# KiCad board C68.kicad_pcb (continued)
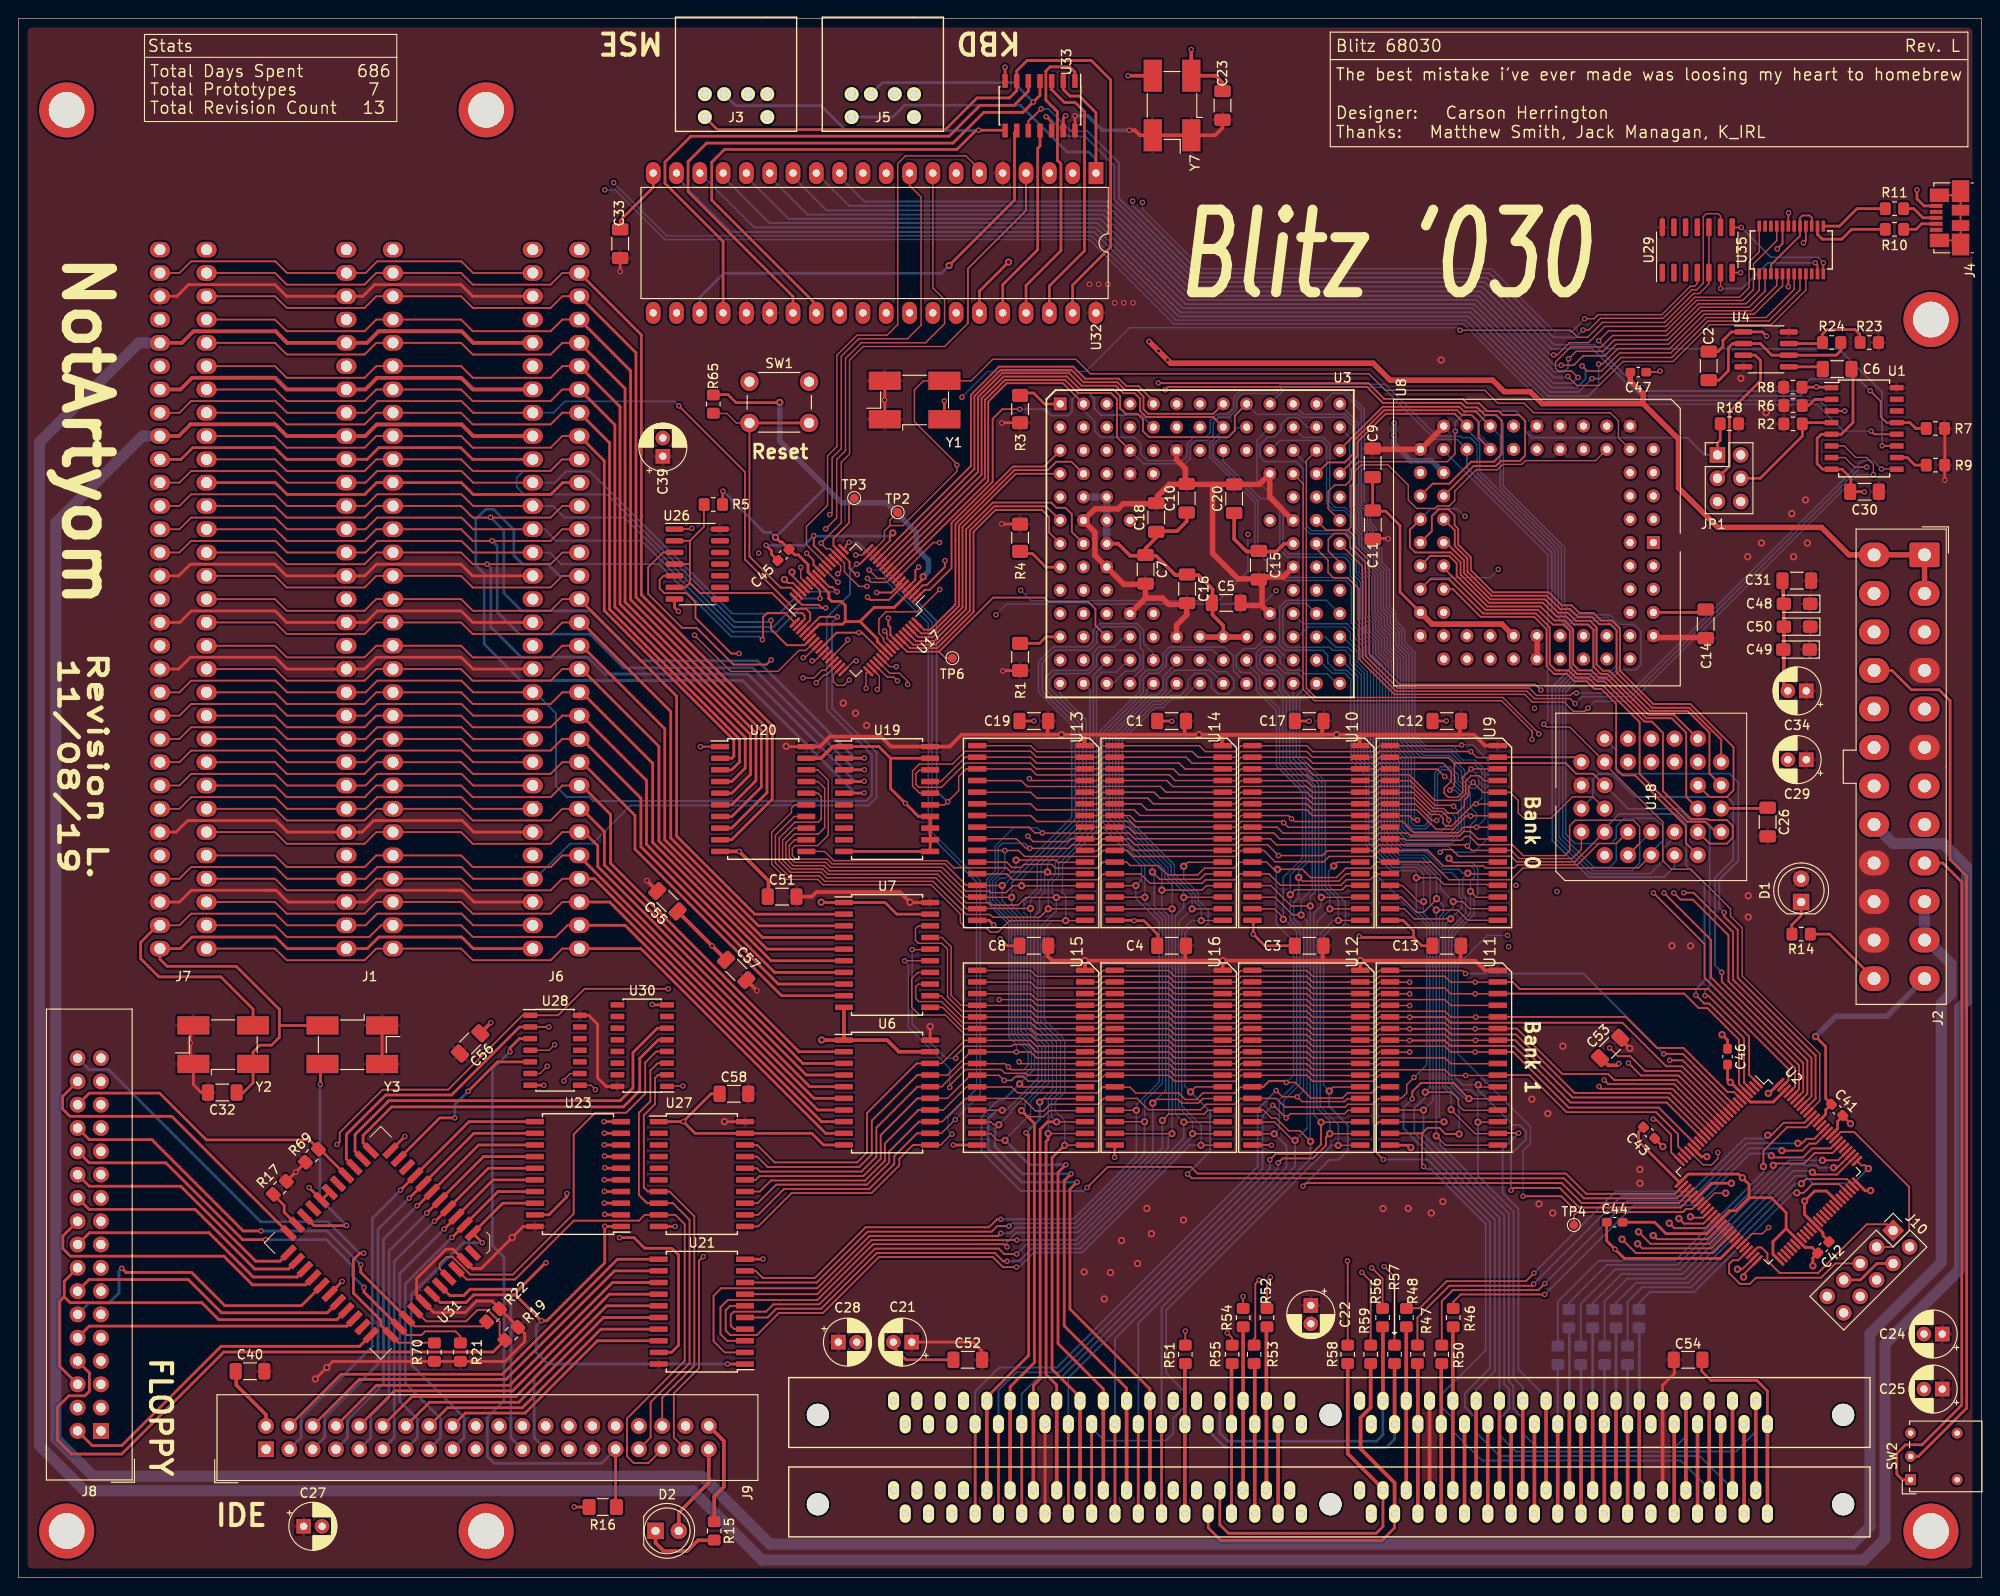
[diagram p0: board, top side]
## Routing (per net, layer and track width the routed paths; a pad name or vN(x,y) marks a point on that pad's centre or on a via; arc(x,y) is an arc through that point) (continued)
IRQ_IDE: length 261.7
  Top w0.15: v2(58.45,58.1) 57.85,57.5 U28.4
  Top w0.2: U1.12 202.3,124.66 v2(201.95,125)
  In2.Cu w0.15: 50.87,65.63 49.85,66.65 49.85,142.55 58.6,151.3 v2(63.93,151.3) ; 50.87,65.63 51.74,64.76 ; 50.87,65.63 58.4,58.1 v2(58.45,58.1)
  Bottom w0.15: v2(201.95,125) 198.94,125 196.01,127.92 166.3,127.92 157.53,136.7 125.91,136.7 116.73,145.88 70.47,145.88 65.08,151.27 63.93,151.27
IRQ_KBD: length 104.1
  Top w0.2: U33.12 112.63,158.67 v2(112.03,159.28)
  Top w0.3: 194.44,129.79 197.58,129.79 U1.1
  Bottom w0.2: v2(195.99,129.82) 195.22,129.82 194.25,128.85 176.7,128.85 171.57,133.97 167.1,133.97 159.82,141.25 128.45,141.25 119.4,150.3 119.4,154 116.25,157.15 114.43,157.15 112.3,159.28 v2(112.03,159.28)
IRQ_MSE: length 118.2
  Top w0.2: U33.10 110.09,158.8 110.38,159.09 110.44,159.09 v2(111.48,160.12) ; v2(201.85,129.4) 203,128.25 203,126.56 203.63,125.92 204.74,125.92
  Top w0.3: 207.94,125.29 206.81,125.29 206.18,125.92 204.74,125.92
  Bottom w0.2: v2(201.85,129.4) 200.55,130.7 195.35,130.7 194.02,129.38 176.82,129.38 171.77,134.43 167.38,134.43 160.07,141.72 128.62,141.72 119.97,150.38 119.97,154.25 116.53,157.7 114.7,157.7 112.28,160.12 v2(111.48,160.12)
IRQ_SYS: length 13.2
  Top w0.3: JP1.4 189.86,119.86 194.46,124.47 194.46,125.79 194.6,125.92 197.64,125.92
ISA_IRQ0: length 42.7
  Top w0.2: J1.B25 37.84,83.82 39.11,85.09 48.3,85.09 49.57,83.82 J6.B25 ; 35.79,83.82 29.29,83.82 28.02,85.09 18.83,85.09 17.56,83.82 15.47,83.82
ISA_IRQ1: length 42.7
  Top w0.2: J1.B24 37.84,86.36 39.11,87.63 48.3,87.63 49.57,86.36 J6.B24 ; 15.47,86.36 17.56,86.36 18.83,87.63 28.02,87.63 29.29,86.36 35.79,86.36
ISA_IRQ2: length 42.7
  Top w0.2: J1.B23 37.84,88.9 39.11,90.17 48.3,90.17 49.57,88.9 J6.B23 ; 35.79,88.9 29.29,88.9 28.02,90.17 18.83,90.17 17.56,88.9 15.47,88.9
ISA_IRQ3: length 42.7
  Top w0.2: J1.B22 37.84,91.44 39.11,92.71 48.3,92.71 49.57,91.44 J6.B22 ; 15.47,91.44 17.56,91.44 18.83,92.71 28.02,92.71 29.29,91.44 35.79,91.44
ISA_IRQ4: length 42.7
  Top w0.2: J1.B21 37.84,93.98 39.11,95.25 48.3,95.25 49.57,93.98 J6.B21 ; 35.79,93.98 29.29,93.98 28.02,95.25 18.83,95.25 17.56,93.98 15.47,93.98
KBD_CS: length 61.1
  Top w0.15: U17.22 85.9,112.63 85.9,114.6 88.2,116.9 88.2,122.3 89.22,123.33 89.22,133.28 91.4,135.46 94.69,135.46 95.85,136.62 95.85,154.17 96.68,155 103.29,155 104.76,153.53 U32.6
MMUDIS: length 58.6
  Top w0.15: U3.F13 142.77,116.54 142.77,118.41 143.48,119.12 144.67,119.12 145.3,119.75 145.3,120.87 146.1,121.67 155.76,121.67 156.59,122.5 156.59,124.96 v2(156.62,124.99)
  Top w0.3: JP1.1 185.2,123.7 185.5,124 R18.2
  Bottom w0.2: v2(156.62,124.99) 156.62,125.94 157.88,127.2 163.21,127.2 164.27,126.14 164.27,124.97 164.96,124.28 181.92,124.28 183.8,122.4 JP1.1
RESET: length 450
  Top w0.15: U2.33 184.89,41.93 v1(186.1,41.93) ; 144.93,114.22 145.25,114.54 145.25,119.03 145.69,119.47 145.69,120.62 146.39,121.32 149.29,121.32 151.5,119.11 151.5,117.49 152.42,116.57 154.41,116.57 154.68,116.84 155.98,116.84 156.56,117.42 156.56,118.43 158.91,120.78 161.21,120.78 161.8,121.37 163.87,121.37 164.28,121.78 171.91,121.78 U8.13 ; 144.93,114.22 145.64,113.5 145.64,112.52 147.23,110.93 147.23,100.73 150.57,97.39 165.34,97.39 v2(165.96,96.77) ; 144.93,114.22 142.56,114.22 U3.F12 ; v2(92.49,108.07) 91.63,108.07 90.04,109.66 90.04,110.61 U17.19 88.48,112.17 88.05,112.17 87.5,112.72 v2(87.5,112.8) 89.7,115 89.7,121.6 90.6,122.5 90.6,132.73 92.09,134.22 100.97,134.22 103.5,136.75
  Top w0.2: 103.5,136.75 103.5,142.71 109.84,149.05 U32.4 ; v2(34.73,47.22) 35.03,47.52 35.03,48.53 39.7,53.2 46.84,53.2 54.95,61.31 U28.1 58.83,61.31 61.72,64.2 v2(70.85,64.2) ; U35.16 194.84,145.79 v2(194.57,145.53)
  In1.Cu w0.15: v2(92.49,108.07) 93.83,108.07 96.25,105.65 107.25,105.65 v2(109.25,107.65) ; U3.F12 139.98,113.75 v2(134.03,113.75) ; v2(165.96,96.77) 163.69,94.5 163.69,87.05 165.95,84.79 165.95,66.67 172.82,59.8 177.81,59.8 182.2,55.41 182.2,45.82 v1(186.1,41.93)
  In1.Cu w0.2: J9.1 25.94,14 25.28,14.66 25.28,17.52 38.78,31.02 38.78,38.98 34.73,43.03 v2(34.73,47.22) ; U8.13 174.38,124.25 176.95,124.25 185.15,132.45 185.15,136.8 193.88,145.53 v2(194.57,145.53)
  In2.Cu w0.15: v2(70.85,64.2) 70.85,65.8 72.58,67.53 72.58,103.28 73.83,104.53 75.38,104.53 83.61,112.76 87.46,112.76 v2(87.5,112.8) ; U8.13 173.14,122.47
  Bottom w0.15: v2(134.03,113.75) 134.03,109.75 130.8,106.53 110.38,106.53 v2(109.25,107.65)
RESET_N: length 162.1
  Top w0.2: J1.B2 37.84,142.24 39.11,143.51 48.3,143.51 49.57,142.24 J6.B2 ; 15.47,142.24 17.56,142.24 18.83,143.51 28.02,143.51 29.29,142.24 35.79,142.24 ; U28.2 57.81,60.04 v2(57.82,60.03)
  Top w0.3: U31.20 35.75,45.64 35.75,48.32 40.05,52.62 47.22,52.62 54.64,60.04 U28.2
  In2.Cu w0.2: v2(57.82,60.03) 50.34,67.51 50.34,137.94 54.64,142.24 J6.B2
ROM: length 109.4
  Top w0.15: U17.44 90.4,102.12 v2(90.4,102.25)
  In2.Cu w0.15: U18.22 184.85,90.71 184.85,92.15 181.59,95.41 170.74,95.41 169.38,94.05 158.29,94.05 155.09,90.85 105.82,90.85 97.55,99.12 97.55,99.53 96.44,100.63 93.34,100.63 91.72,102.25 v2(90.4,102.25)
RW0: length 81.9
  Top w0.15: 131.09,86.89 132.65,86.89 133.28,87.53 140.44,87.53 141.07,86.89 146.09,86.89 ; 160.99,86.88 159.78,86.88 159.24,87.42 158.34,87.42 157.76,86.84 157.76,85.47 157.03,84.74 154.38,84.74 151.59,87.53 148.34,87.53 147.71,86.89 146.15,86.89 ; U14.29 126.07,86.91 125.45,87.53 118.23,87.53 117.59,86.89 116.04,86.89 ; v2(110.2,87.12) 110.41,86.91 116.27,86.91 ; U17.48 91.06,99.95 v2(91.32,99.95)
  In2.Cu w0.15: v2(91.32,99.95) 92.65,98.62 96.76,98.62 105.38,90 107.32,90 v2(110.2,87.12)
RW1: length 102.1
  Top w0.15: v2(106.9,63.01) 106.91,63.02 110.41,63.02 111.04,62.38 116.27,62.38 ; 146.15,62.38 147.71,62.38 148.34,63.02 155.5,63.02 156.13,62.38 161.15,62.38 ; 131.04,62.38 126.03,62.38 125.39,63.02 118.23,63.02 117.59,62.38 116.04,62.38 ; v2(86.97,97.56) 87.85,98.44 88.14,98.44 U17.46 ; 131.09,62.38 132.65,62.38 133.28,63.02 140.44,63.02 141.07,62.38 146.09,62.38
  In2.Cu w0.2: v2(106.9,63.01) 106.9,68.39 95.22,80.07 95.22,88.59 86.97,96.84 v2(86.97,97.56)
RW_N: length 498.6
  Top w0.15: v2(166.27,93.04) 166.57,92.74 169.1,92.74 U18.31 172.91,88.72 179.24,82.39 179.24,78.17 180.17,77.24 182.31,77.24 186.63,72.92 186.63,72.12 187.9,70.85 187.9,65.6 196.35,57.15 196.35,51.97 U2.91 ; U29.9 185.54,148.46 185.3,148.7 183.98,148.7 183.65,148.38 183.65,141.12 182.93,140.4 182.4,140.4 179.3,137.3 172.45,137.3 171.18,136.03 v2(170.55,136.03) ; v2(59.45,54.15) 59.45,54.27 60.14,54.96 U28.9
  Top w0.2: 100.35,100.95 96.87,100.95 U17.58 95.05,102.77 95.05,103.6 94.82,103.83 v2(94.82,104.6) ; 100.35,100.95 106.25,106.85 111.82,106.85 112.3,106.37 116.64,106.37 117.4,105.61 117.4,103.81 U3.L3 ; 100.35,100.95 101.05,100.25 TP6.1
  Top w0.3: U31.2 47.05,30.75 48.54,30.75 49.23,31.44 54.56,31.44 57.45,34.33 v2(57.51,34.33)
  In1.Cu w0.15: v2(94.82,104.6) 92.97,102.75 92.97,102.7 91.9,101.62 90.1,101.62 86.58,105.14 86.58,109.94 84.82,111.7 v2(80.7,111.7)
  In2.Cu w0.15: 157.08,121.29 U8.28 ; 157.08,121.29 157.08,117.33 156.23,116.48 151.06,116.48 148.64,118.9 138.2,118.9 136.39,117.09 130.34,117.09 128.61,115.36 128.61,114.43 119.92,105.74 119.92,103.85 U3.L3 ; 157.08,121.29 163.02,121.29 164.02,122.29 164.02,124.01 164.41,124.4 164.41,126.04 164.81,126.44 164.81,127.54 164.18,128.17 164.18,134.66 165.69,136.18 169.35,136.18 169.5,136.03 v2(170.55,136.03) ; v2(80.7,111.7) 80.7,111.01 75.07,105.38 73.33,105.38 71.7,103.75 71.7,67.85 69.8,65.95 69.8,61.65 60.88,52.72 ; v2(57.51,34.33) 57.51,38.93 58.36,39.78 58.36,50.21 60.88,52.72 ; 60.88,52.72 v2(59.45,54.15)
  In2.Cu w0.2: v2(94.82,104.6) 95.45,104.6 97.09,106.24 107.92,106.24 112.83,101.33 116.84,101.33 118.08,102.57 U3.L3 ; U32.10 97,150.72 120.8,150.72 v2(121.45,150.07)
  Bottom w0.15: U8.28 155.36,122.88 166.72,111.52 166.72,93.49 v2(166.27,93.04)
  Bottom w0.2: v2(121.45,150.07) 121.45,149.62 128.85,142.22 160.32,142.22 167.32,135.22 169.75,135.22 v2(170.55,136.03)
  Bottom w0.3: 53.69,26.44 53.69,15.25 J9.23 ; 53.69,26.44 53.69,23.24 ; 53.69,26.44 53.69,30.51 v2(57.51,34.33)
SIZ0: length 30.1
  Top w0.2: v2(92.55,106.9) 92.85,106.6 94.88,106.6 U17.5
  In2.Cu w0.2: U3.L2 115,103.67 111.1,103.67 108.14,106.63 93.24,106.63 92.97,106.9 v2(92.55,106.9)
SIZ1: length 30.2
  Top w0.2: U17.6 96.17,108.38 95.19,107.4 v2(93.55,107.4)
  In2.Cu w0.2: v2(93.55,107.4) 93.92,107.03 108.23,107.03 111.23,104.03 117.56,104.03 U3.K3
STERM: length 31.7
  Top w0.2: U17.59 97.2,101.33 100.16,101.33 104.12,105.29 104.12,114.02 106.49,116.39 111.58,116.39 112.36,115.61 112.36,113.93 U3.G1
TCK: length 190.8
  Top w0.2: v1(83.5,108.83) 83.88,108.45 84.42,108.45 U17.30 ; U2.48 189.57,36 190,36 190.65,35.35 190.65,34.55 191.98,33.22 196.18,33.22 201.48,38.53 203.68,38.53 J10.1
  In1.Cu w0.2: v1(83.5,108.83) 83.72,108.6 83.72,98.83 90.53,92.03 107.9,92.03 115.82,84.1 139.38,84.1 148.55,74.93 148.55,58.47 151.1,55.93 155.57,55.93 159.57,51.93 163.43,51.93 166.3,49.05 179.8,49.05 181.12,47.72 181.12,44.45 188.2,37.38 198.7,37.38 199.98,38.65 203.55,38.65 J10.1
TDO1: length 148.6
  Top w0.15: v2(95.7,99.33) 94.96,99.33 U17.53 ; U2.45 188.95,37.5 190.1,37.5 v2(190.77,38.18)
  In1.Cu w0.15: v2(190.77,38.18) 190.6,38 188.5,38 181.73,44.78 181.73,47.95 176.8,52.88 172.1,52.88 171.18,53.8 171.18,57.97 163.53,65.62 163.53,75.2 v2(163.25,75.47)
  In2.Cu w0.15: v2(163.25,75.47) 162.65,76.07 157.55,76.07 156.55,77.07 149.43,77.07 148.35,76 143.9,76 140.07,79.82 115.62,79.82 111.85,83.6 108.5,83.6 93.97,98.12 92.28,98.12 90.7,99.7 90.7,100.33 91.05,100.67 91.7,100.67 92.7,99.67 95.35,99.67 v2(95.7,99.33)
TDO2: length 20
  Top w0.2: U2.83 198.64,48.6 200.1,48.6 206.1,42.6 206.1,37.85 204.3,36.05 J10.3
TMS: length 190.5
  Top w0.2: U17.29 84.32,109.25 v1(84.32,109.62) ; U2.47 187.48,34.61 186.89,34.61 186.48,34.2 186.48,33.2 187.65,32.03 188.73,32.03 189.4,32.7 196.5,32.7 198.06,34.26 J10.5
  In1.Cu w0.2: J10.5 198.29,36.72 187.88,36.72 180.5,44.1 180.5,47.55 179.57,48.47 166.02,48.47 163.18,51.32 157.75,51.32 153.75,55.32 150.8,55.32 147.95,58.18 147.95,74.7 139.1,83.55 115.62,83.55 107.75,91.42 90.28,91.42 83.07,98.62 83.07,107.92 82.57,108.42 82.57,109.25 83.05,109.72 84.22,109.72 v1(84.32,109.62)
Net-(C2-Pad2): length 19.2
  Top w0.3: 198.68,134.66 198.68,133.78 198.17,133.28 191.13,133.28 189.87,134.55 U4.2 186.85,134.55 186.4,134.1 186.4,131.58 185.36,130.55 C2.2
Net-(C6-Pad2): length 3.9
  Top w0.3: U4.5 196.52,132 196.76,131.76
Net-(D1-Pad1): length 3.9
  Top w0.3: D1.1 194.32,72.18 193.3,71.16 193.3,70.16
Net-(D2-Pad1): length 8.6
  Top w0.4: 75.85,4.07 74.07,4.07 72.9,2.9 70.35,2.9 69.45,3.8 D2.1
Net-(D2-Pad2): length 10.3
  Top w0.4: D2.2 71.99,7.09 75.26,10.36 J9.39
Net-(J1-PadA10): length 91.6
  Top w0.2: U17.38 85.7,101.66 83.78,101.66 82.03,103.41 v2(82.03,104.37) ; J1.A10 48.26,121.92 49.53,120.65 58.02,120.65 59.29,121.92 J6.A10 ; 20.55,121.92 27.98,121.92 29.25,120.65 37.74,120.65 39.01,121.92 40.87,121.92
  Bottom w0.2: J6.A10 59.2,121.92 57.93,120.65 55.06,120.65 54.32,119.91 54.32,118.93 55.15,118.1 64.18,118.1 78.08,104.2 81.86,104.2 v2(82.03,104.37)
Net-(J1-PadB8): length 90.8
  Top w0.2: J1.B8 37.84,127 39.11,128.27 48.3,128.27 49.57,127 J6.B8 ; 35.79,127 29.29,127 28.02,128.27 18.83,128.27 17.56,127 15.47,127 ; U17.35 86.31,104.39 86.31,105.19 85.88,105.62 84.59,105.62 79.2,111.01 79.2,120.55 v2(72,127.75)
  Bottom w0.2: J6.B8 58.31,127 59.56,128.25 71.5,128.25 v2(72,127.75)
Net-(J1-PadB11): length 87.8
  Top w0.2: J6.B11 49.57,119.38 48.3,120.65 39.11,120.65 37.84,119.38 J1.B11 ; 35.79,119.38 29.29,119.38 28.02,120.65 18.83,120.65 17.56,119.38 15.47,119.38 ; 87.87,108.54 U17.25 88.42,107.99 88.74,107.99 v2(89.24,107.49)
  Bottom w0.2: J6.B11 58.47,119.38 59.7,120.61 62.31,120.61 77.82,105.1 82.94,105.1 85.33,107.49 v2(89.24,107.49)
Net-(J1-PadB12): length 83.1
  Top w0.2: v2(87.38,106.76) 87.38,107.61 U17.27 ; J6.B12 49.57,116.84 48.3,118.11 39.11,118.11 37.84,116.84 J1.B12 ; 15.47,116.84 17.56,116.84 18.83,118.11 28.02,118.11 29.29,116.84 35.79,116.84
  Bottom w0.2: J6.B12 58.26,116.84 59.53,115.57 66.07,115.57 78,103.64 82.3,103.64 85.42,106.76 v2(87.38,106.76)
Net-(J1-PadB13): length 85.1
  Top w0.2: 15.47,114.3 17.56,114.3 18.83,115.57 28.02,115.57 29.29,114.3 35.79,114.3 ; v2(88,105.73) 87.58,105.73 87.25,106.06 85.4,106.06 U17.32 ; J6.B13 49.57,114.3 48.3,115.57 39.11,115.57 37.84,114.3 J1.B13
  Top w0.3: 15.47,114.3 15.01,114.3 ; J1.B13 35.29,114.3
  Bottom w0.2: J6.B13 57.37,114.3 58.61,113.06 67.91,113.06 77.85,103.12 82.62,103.12 85.23,105.73 v2(88,105.73)
Net-(J1-PadB14): length 78.3
  Top w0.2: J6.B14 49.57,111.76 48.3,113.03 39.11,113.03 37.84,111.76 J1.B14 ; 35.79,111.76 29.29,111.76 28.02,113.03 18.83,113.03 17.56,111.76 15.47,111.76 ; U17.33 83.57,105.18 81.63,105.18 81.18,104.73 81.18,102.34 v2(81.1,102.26)
  Bottom w0.2: J6.B14 57.92,111.76 59.18,110.5 69.83,110.5 77.74,102.59 80.77,102.59 v2(81.1,102.26)
Net-(J1-PadB28): length 110.7
  Top w0.2: U17.36 87.38,104.75 v2(89.27,104.75) ; J1.B28 37.84,76.2 39.11,77.47 48.3,77.47 49.57,76.2 J6.B28 ; 35.79,76.2 29.29,76.2 28.02,77.47 18.83,77.47 17.56,76.2 15.47,76.2
  Top w0.3: J1.B28 35.44,76.2 ; 15.47,76.2 15.16,76.2
  Bottom w0.2: J6.B28 56.32,76.2 60.13,80.01 62.55,80.01 66.73,84.19 92.68,84.19 93.54,85.05 93.54,89.97 88.7,94.81 88.7,104.18 89.24,104.72 89.28,104.72
Net-(J1-PadB30): length 64.3
  Top w0.2: J6.B30 49.57,71.12 48.3,72.39 39.11,72.39 37.84,71.12 J1.B30 29.29,71.12 28.02,72.39 18.83,72.39 17.56,71.12 15.47,71.12
  Top w0.3: J7.B30 15.18,71.12 13.32,69.26 13.32,67.5 15.32,65.5 22.07,65.5 25.58,61.99 Y2.3 ; 15.13,71.12 15.47,71.12 ; 35.41,71.12 J1.B30
Net-(J2-Pad9): length 75.2
  Top w0.3: SW2.1 205.35,10.68 204.75,11.28 204.75,13.54 205.7,14.49 207.5,14.49 211.83,18.82 211.83,75.84 209.76,77.91 J2.9
Net-(J2-Pad16): length 95.8
  Top w0.3: J2.16 204.23,98.91 206.33,96.8 209.36,96.8 210.56,95.6 210.56,78.3 212.37,76.49 212.37,18.48 207.11,13.22 SW2.2
Net-(J3-Pad1): length 84
  Top w0.3: U33.8 107.52,157.8 v2(104.68,157.8) 104.4,157.8 102.31,155.71 76.98,155.71 75.58,154.31 75.58,150.18 86.99,138.77 86.99,137.9
  Bottom w0.3: J3.1 78.19,160.47 87.5,160.47 90.2,157.78 104.65,157.78 v2(104.68,157.8)
Net-(J3-Pad5): length 77.2
  Top w0.3: J3.5 76.19,157.88 101.05,157.88 104.5,161.32 108.03,161.32 108.82,162.12 U33.6 108.82,164.27 109.95,165.4 116.96,165.4 119.06,163.3 119.06,145.06 114.92,140.92 U32.39
Net-(J4-Pad2): length 3.8
  Top w0.3: 205.52,147 206.85,147 207.45,147.6 J4.2
Net-(J4-Pad3): length 3.9
  Top w0.3: 205.52,149.25 206.6,149.25 207.6,148.25 J4.3
Net-(J5-Pad1): length 83.2
  Top w0.3: U32.27 84.44,139.67 73,151.11 73,154.37 75.03,156.4 101.88,156.4 105.22,159.75 109.5,159.75 v2(110.62,160.88) 111.36,161.61 U33.4
  Bottom w0.3: v2(110.62,160.88) 108.5,163 94.2,163 92.94,161.74 J5.1
Net-(J5-Pad5): length 43.2
  Top w0.3: U33.2 113.9,162.25 114.62,161.53 115.65,161.53 117.46,159.72 U32.1
  Bottom w0.3: U32.1 117.46,154.63 116.66,155.43 114.32,155.43 109.22,160.53 96.6,160.53 95.31,159.24 J5.5
Net-(J8-Pad2): length 37.6
  Top w0.3: J8.2 8.06,14.4 11.28,14.4 22.1,25.22 37.21,25.22 U31.39
Net-(J8-Pad8): length 79.2
  Top w0.2: U31.43 44.46,27.95 48.8,27.95 50.05,29.2 51.15,29.2 52.46,27.89 52.46,26.44 53.03,25.88
  Top w0.3: J8.8 7.75,22.33 7.75,20.32 7.25,19.82 5.5,19.82 4.25,18.57 4.25,15 5.78,13.47 11.28,13.47 22.4,24.6 51.75,24.6 53.03,25.88
Net-(J8-Pad10): length 31
  Top w0.3: U31.37 35.81,27.43 7.72,27.43 J8.10
Net-(J8-Pad12): length 32.6
  Top w0.3: U31.33 30.85,29.65 22.5,29.65 18.88,33.28 11.72,33.28 v2(11.28,33.72)
  Bottom w0.3: v2(11.28,33.72) 10.98,33.43 10.98,31.05 9.88,29.95 7.71,29.95 J8.12
Net-(J8-Pad14): length 30.9
  Top w0.3: J8.14 7.72,32.5 18.53,32.5 22.15,28.88 33.67,28.88 U31.35
Net-(J8-Pad16): length 46.5
  Top w0.3: J8.6 4.47,23.06 4.47,30.1 5,30.62 ; 5,30.62 5,32.32 J8.16 ; 5,30.62 5.65,29.97 20,29.97 21.85,28.12 34.72,28.12 U31.36
Net-(J8-Pad18): length 27.7
  Top w0.3: J8.18 7.74,37.6 20.78,37.6 25.6,32.78 30.39,32.78 U31.31
Net-(J8-Pad20): length 32.9
  Top w0.3: U31.32 31.33,31.93 25.53,31.93 22.4,35.05 5.67,35.05 4.85,35.88 4.85,37.25 J8.20
Net-(J8-Pad22): length 27.5
  Top w0.3: J8.22 7.71,40.15 19.28,40.15 25.78,33.65 29.47,33.65 U31.30
Net-(J8-Pad24): length 27.3
  Top w0.3: J8.24 7.72,42.68 17.7,42.68 25.88,34.5 28.52,34.5 U31.29
Net-(J8-Pad26): length 52
  Top w0.2: 48.18,25.61 48.18,26.32 47.65,26.85 44.35,26.85 43.95,26.45 42.37,26.45 U31.41
  Top w0.3: J8.26 7.72,45.22 16.08,45.22 24.45,36.85 v2(26.95,36.85) ; U31.41 37.67,31.14 v2(37.67,31.65)
  Bottom w0.3: v2(37.67,31.65) 36.42,32.9 36.42,33.97 33.55,36.85 v2(26.95,36.85)
Net-(J8-Pad28): length 54.2
  Top w0.2: U31.42 43.21,27.4 50.55,27.4 51.03,27.88
  Top w0.3: J8.28 7.73,47.75 14.55,47.75 24.5,37.8 v2(26.45,37.8) ; U31.42 37.33,33.29 v2(37.33,34.12)
  Bottom w0.3: v2(26.45,37.8) 33.65,37.8 v2(37.33,34.12)
Net-(J8-Pad30): length 33.5
  Top w0.3: U31.21 32.87,46.72 32.72,46.72 31.72,47.72 20.5,47.72 15.4,52.82 7.72,52.82 J8.30
Net-(J8-Pad32): length 33.9
  Top w0.3: J8.32 4.83,52.47 4.83,51.1 5.62,50.3 16.72,50.3 U31.28
Net-(J8-Pad34): length 56.4
  Top w0.2: U31.40 41.41,25.61 45.35,25.61
  Top w0.3: v2(37.65,35.38) 37.23,35.38 36.53,34.67 36.53,31.03 39.5,28.05 39.5,27.52 U31.40
  Bottom w0.3: J8.34 7.72,55.38 9.85,55.38 26.42,38.8 33.75,38.8 37.17,35.38 v2(37.65,35.38)
Net-(J9-Pad27): length 117.9
  Top w0.2: U26.5 70.33,109.23 69.9,108.8 69.9,107.85 70.4,107.35 72.8,107.35 73.8,106.35 73.8,104.65 77.7,100.75 v2(78.55,100.75)
  In2.Cu w0.15: J9.27 61.29,15.28 73.38,15.28 74.05,15.95 74.05,27.4 75.75,29.1 75.75,35.57 74.72,36.6 74.72,88.75 75.97,90 75.97,98.47 77.9,100.4 78.2,100.4 v2(78.55,100.75)
Net-(J9-Pad31): length 70.5
  Top w0.3: U28.3 54.61,58.77 53.59,57.75 v2(53.59,57.34) ; R16.2 65.1,7.79 J9.31
  Bottom w0.3: J9.31 63.57,12.47 51.85,12.47 51.12,13.2 51.12,17.47 52.94,19.29 52.94,34.95 51.67,36.22 51.67,55.42 v2(53.59,57.34)
Net-(J10-Pad9): length 175.5
  Top w0.15: U17.28 85.28,109.01 v2(85.28,110.15)
  In1.Cu w0.15: v2(167.7,74.8) 167.7,67.32 173.77,61.25 178.5,61.25 184.02,55.72 184.02,54.25 188.3,49.97 197.6,49.97 205.98,41.6 205.98,37.68 198.97,30.67 J10.9
  In2.Cu w0.15: v2(167.7,74.8) 167.68,74.78 162.95,74.78 162.2,75.53 143.72,75.53 139.8,79.45 115.43,79.45 111.68,83.2 108.3,83.2 93.8,97.7 92.1,97.7 88.62,101.17 88.62,106.8 v2(85.28,110.15)
Net-(R1-Pad2): length 4.7
  Top w0.3: U3.L1 112.02,102.57 111.31,101.86 R1.2
Net-(R3-Pad2): length 5.4
  Top w0.3: 113.54,127.95 111.86,127.95 110.65,129.16 108.6,129.16
Net-(R4-Pad2): length 5.6
  Top w0.3: 108.6,111.66 110.52,111.66 112.01,110.17 113.54,110.17
Net-(R6-Pad2): length 3.5
  Top w0.3: U1.2 195.81,128.47 195.14,127.79 194.46,127.79
Net-(R9-Pad2): length 3.5
  Top w0.3: 207.94,121.29 206.73,121.29 205.9,122.11 U1.10
Net-(R10-Pad1): length 8.9
  Top w0.3: U35.14 196.11,146.44 196.62,145.93 198.75,145.93 199.83,147 203.48,147
Net-(R11-Pad1): length 7.5
  Top w0.3: 203.48,149.25 200.41,149.25 198.51,147.35 U35.13
Net-(R12-Pad2): length 29.1
  Top w0.2: U2.72 198.46,42.9 195.55,42.9 194.6,41.95 v1(193.85,41.95)
  Bottom w0.2: 176.65,29.28 176.65,29.95 177.85,31.15 182.65,31.15 193.45,41.95 v1(193.85,41.95)
Net-(R13-Pad2): length 35.3
  Top w0.2: v1(194.35,42.95) 194.85,43.45 199.33,43.45 U2.74
  Bottom w0.2: 175.4,25.28 175.4,30.07 176.98,31.65 182.35,31.65 193.65,42.95 v1(194.35,42.95)
Net-(R17-Pad1): length 4.4
  Top w0.3: 27.78,41.78 28.97,40.58 28.97,39.84 U31.27
Net-(R23-Pad1): length 10
  Top w0.3: U4.7 196.51,134.55 196.62,134.66 196.62,135.53 197.15,136.06 200.2,136.06 200.73,135.53 200.73,134.66
Net-(R40-Pad2): length 36.5
  Top w0.2: v1(201.65,44.6) 201.3,44.95 200.89,44.95 U2.76
  Bottom w0.2: 174.15,29.28 174.15,29.95 176.35,32.15 182.05,32.15 193.7,43.8 194.75,43.8 195.55,43 200.05,43 v1(201.65,44.6)
Net-(R42-Pad2): length 38.8
  Top w0.2: v1(195.55,44.2) 195.8,43.95 198.23,43.95 U2.77
  Bottom w0.2: 172.9,25.28 172.9,30.12 175.38,32.6 181.7,32.6 193.45,44.35 195.4,44.35 v1(195.55,44.2)
Net-(R43-Pad2): length 35.7
  Top w0.2: v1(197.85,44.7) 198.27,44.7 U2.78
  Bottom w0.2: 171.6,29.28 171.6,29.95 174.75,33.1 181.4,33.1 193.25,44.95 196,44.95 196.25,44.7 v1(197.85,44.7)
Net-(R44-Pad2): length 40.5
  Top w0.2: v1(196.65,45.5) 198.36,45.5 U2.79
  Bottom w0.2: v1(196.65,45.5) 193,45.5 181.1,33.6 174.05,33.6 170.3,29.85 170.3,25.28
Net-(R45-Pad2): length 37.7
  Top w0.2: U2.81 197.75,46.3 195.81,46.3 194.66,45.15 191.49,45.15 v1(191.29,44.95)
  Bottom w0.2: v1(191.29,44.95) 191.29,44.54 180.85,34.1 173.15,34.1 169,29.95 169,29.28
Net-(R46-Pad2): length 50.2
  Top w0.2: v2(166.38,30.88) 157.22,30.88 156.4,30.05 156.4,29.38 ; U2.82 197.54,46.8 195.52,46.8 194.53,45.81 191.27,45.81 v1(191.07,46.01)
  Bottom w0.2: v2(166.38,30.88) 176.1,40.6 183.1,40.6 188.73,46.23 190.85,46.23 v1(191.07,46.01)
Net-(R47-Pad2): length 55.9
  Top w0.2: 152.5,25.38 152.5,28.35 155.97,31.82 164.97,31.82 v2(165.18,32.03) ; v1(193.97,47.36) 194.43,47.36 194.91,47.84 195.75,47.84 U2.86
  Bottom w0.2: v1(193.97,47.36) 188.41,47.36 182.65,41.6 174.75,41.6 v2(165.18,32.03)
Net-(R48-Pad2): length 52.9
  Top w0.2: v1(190.69,48.25) 191.08,48.25 192.43,49.6 194.69,49.6 U2.90 ; v2(165.21,33.21) 164.32,32.32 155.68,32.32 152.72,29.38 151.3,29.38
  Bottom w0.2: v2(165.21,33.21) 174.1,42.1 182.4,42.1 188.18,47.88 190.32,47.88 v1(190.69,48.25)
Net-(R49-Pad2): length 42.4
  Top w0.2: v1(190.21,44.82) 190.21,46.53 192.78,49.1 194.89,49.1 U2.89
  Bottom w0.2: v1(190.21,44.82) 190.21,44.21 180.55,34.55 172.27,34.55 167.8,30.07 167.8,25.28
Net-(R50-Pad2): length 54.7
  Top w0.2: U2.85 195.94,47.32 195.2,47.32 194.44,46.56 v1(192.22,46.56) ; 155.15,25.38 155.15,30.15 156.35,31.35 165.68,31.35 v2(166.39,32.06)
  Bottom w0.2: v2(166.39,32.06) 175.43,41.1 182.9,41.1 188.6,46.8 191.98,46.8 v1(192.22,46.56)
Net-(R51-Pad2): length 65
  Top w0.2: v2(127.2,26.88) 127.2,25.38 ; v1(182.25,39.35) 182.35,39.25 183.63,39.25 U2.35
  In2.Cu w0.2: v1(182.25,39.35) 181.1,40.5 170.65,40.5 168.9,38.75 139.07,38.75 v2(127.2,26.88)
Net-(R52-Pad2): length 57.4
  Top w0.2: 136.1,29.38 136.1,32.38 v2(136.47,32.75) ; U2.40 184.31,36.4 177.9,36.4 v1(176.6,37.7)
  In2.Cu w0.2: v1(176.6,37.7) 175.85,38.45 171.6,38.45 169.85,36.7 139.82,36.7 136.47,33.35 v2(136.47,32.75)
Net-(R53-Pad2): length 62.2
  Top w0.2: v1(178.2,37.3) 178.6,36.9 184.11,36.9 U2.39 ; v2(135.25,32.45) 134.82,32.03 134.82,26.18 134.7,26.05 134.7,25.38
  In2.Cu w0.2: v2(135.25,32.45) 135.55,32.75 135.55,33.15 139.6,37.2 169.6,37.2 171.35,38.95 176.55,38.95 v1(178.2,37.3)
Net-(R54-Pad2): length 58.1
  Top w0.2: U2.37 183.89,38.1 180.5,38.1 v1(179.95,38.65) ; 133.5,29.38 v2(133.5,30.65)
  In2.Cu w0.2: v2(133.5,30.65) 133.5,31.8 139.4,37.7 169.35,37.7 171.1,39.45 179.15,39.45 v1(179.95,38.65)
Net-(R55-Pad2): length 63.2
  Top w0.2: U2.36 183.69,38.6 181.55,38.6 v1(181,39.15) ; v2(131.78,26.68) 132.3,26.15 132.3,25.38
  In2.Cu w0.2: v1(181,39.15) 180.2,39.95 170.85,39.95 169.12,38.22 139.25,38.22 131.78,30.75 v2(131.78,26.68)
Net-(R56-Pad2): length 48.5
  Top w0.2: v1(187.38,33.62) 187.9,33.62 U2.49 ; 148.7,29.38 148.7,32.6 v2(147.53,33.78)
  In2.Cu w0.2: v2(147.53,33.78) 148.99,35.24 171.38,35.24 172.77,33.85 185.95,33.85 186.25,33.55 187.3,33.55 v1(187.38,33.62)
Net-(R57-Pad2): length 51.8
  Top w0.2: U2.50 188.05,33.06 v1(188.05,32.78) ; v2(148.88,33.93) 150,32.8 150,25.38
  In2.Cu w0.2: v2(148.88,33.93) 149.68,34.73 171.13,34.73 172.56,33.3 185.7,33.3 186.12,32.88 187.95,32.88 v1(188.05,32.78)
Net-(R58-Pad2): length 53.6
  Top w0.2: 144.9,25.38 144.9,34.5 v2(144.88,34.53) ; v1(176.5,36.4) 177,35.9 184.52,35.9 U2.41
  In2.Cu w0.2: v1(176.5,36.4) 175.05,37.85 171.77,37.85 170.15,36.22 146.57,36.22 v2(144.88,34.53)
Net-(R59-Pad2): length 52.1
  Top w0.2: v1(174.8,36.9) 176.3,35.4 184.73,35.4 U2.42 ; 147.4,25.38 147.4,32.32 v2(146.45,33.28)
  In2.Cu w0.2: v1(174.8,36.9) 171.6,36.9 170.42,35.72 147.93,35.72 146.45,34.24 v2(146.45,33.28)
Net-(R65-Pad2): length 32.5
  Top w0.15: SW1.2 78.26,125.89 77.22,126.92 75.75,126.92
  Top w0.2: U17.31 84.24,107.93 83.1,107.93 79.69,111.34 SW1.2
  Top w0.3: SW1.2 SW1.2
  Bottom w0.2: 79.74,125.84 SW1.2
Net-(U2-Pad25): length 154.2
  Top w0.2: U2.25 180.15,46.36 180.15,48.3 178.45,50 v2(178.2,50) ; U26.3 70.27,111.77 68.65,110.15 68.65,107.25 72.35,103.55 73.95,103.55 77.95,99.55 81.55,99.55 v2(82.05,100.05)
  In1.Cu w0.15: v2(162.44,68.79) 163.07,68.16 163.07,65.43 170.73,57.78 170.73,53.47 171.85,52.35 175.85,52.35 v2(178.2,50)
  In2.Cu w0.15: v2(82.05,100.05) 83.25,98.85 87.88,98.85 91.9,94.83 93.82,94.83 105.78,82.87 105.78,78.37 107.61,76.54 109.84,76.54 111.57,78.28 124.37,78.28 126.64,76 138.18,76 139.31,74.86 142.74,74.86 147.75,69.85 161.38,69.85 v2(162.44,68.79)
Net-(U26-Pad1): length 135.6
  Top w0.2: v2(191.73,144.88) 192.3,145.45 U35.20 ; v2(73.4,114.4) 73.31,114.31 U26.1
  In2.Cu w0.2: v2(73.4,114.4) 74.9,114.4 81,120.5 96.9,120.5 109.3,132.9 119.8,132.9 130.65,143.75 183.65,143.75 184.77,144.88 v2(191.73,144.88)
Net-(U28-Pad5): length 19.6
  Top w0.3: v2(49.03,53.03) 52.23,56.23 U28.5 ; v2(47.57,50.12) 45.94,50.12 U31.16
  Bottom w0.3: v2(49.03,53.03) 47.57,51.57 v2(47.57,50.12)
Net-(U29-Pad6): length 14.5
  Top w0.15: U29.6 185.54,140.56 v2(185.55,140.55)
  Top w0.2: v2(195.85,143.35) 196.11,143.09 U35.11
  Bottom w0.2: v2(195.85,143.35) 190.7,143.35 187.9,140.55 v2(185.55,140.55)
Net-(U29-Pad8): length 12.7
  Top w0.2: v2(187.8,147.2) 186.83,147.2 U29.8 ; U35.12 196.74,143.34 v2(196.75,143.35)
  Bottom w0.2: v2(187.8,147.2) 191.05,143.95 196.15,143.95 v2(196.75,143.35)
Net-(U30-Pad4): length 44.9
  Top w0.2: U31.3 45.91,33.68 45.91,34.2 46.69,34.98 47.31,34.98 49.25,33.04 53.89,33.04 60.53,39.68 60.53,48.33 62.88,50.68 66.24,50.68 68.33,52.77 68.33,56.16 69.53,57.37 U30.4
Net-(U30-Pad5): length 41.5
  Top w0.3: U31.18 37.58,47.41 37.58,48.2 40.7,51.32 65.96,51.32 67.73,53.1 67.73,56.6 69.76,58.63 U30.5
Net-(U30-Pad6): length 44.1
  Top w0.3: U30.6 69.65,59.91 66.99,57.25 66.99,53.39 65.6,52 40.4,52 36.7,48.3 36.7,46.48 U31.19
Net-(U31-Pad26): length 23.9
  Top w0.3: Y3.3 32.92,55.78 v2(32.92,53.78) ; v2(35.78,38.4) 35.75,38.38 32.24,38.38 U31.26
  Bottom w0.3: v2(32.92,53.78) 32.88,53.72 32.88,41.3 v2(35.78,38.4)
Net-(U32-Pad3): length 16.9
  Top w0.4: v2(120.95,163.75) Y7.3
  In1.Cu w0.4: v2(120.95,163.75) 120.95,162.55 112.38,153.98 U32.3
Net-(U32-Pad23): length 48
  Top w0.3: v1(101.45,143.05) 108.58,150.18 108.58,157.53 U33.9
  Bottom w0.3: v1(101.45,143.05) 100.6,142.2 76.9,142.2 74.27,139.57 74.27,137.92
Net-(U32-Pad24): length 63
  Top w0.3: U33.5 110.09,162.07 108.53,160.51 104.81,160.51 101.46,157.16 73.31,157.16 70.48,154.33 70.48,152.02 76.82,145.68 U32.24
Net-(U32-Pad35): length 27.1
  Top w0.3: v1(107.93,143.43) 104.76,140.26 U32.35 ; v2(114.16,159.39) 113.9,159.13 U33.13
  In1.Cu w0.3: v1(107.93,143.43) 111.1,146.6 111.1,154.7 114.16,157.76 v2(114.16,159.39)
Net-(U32-Pad36): length 21.6
  Top w0.3: U33.11 111.36,156.08 111.11,155.83 111.11,144.77 107.3,140.96 U32.36
Net-(U32-Pad37): length 33.2
  Top w0.3: U32.37 109.84,140.87 113.64,144.67 113.64,154.13 113.26,154.51 113.26,159.83 112,161.09 112,164.25 112.46,164.71 114.62,164.71 115.17,164.16 U33.1
Net-(U32-Pad38): length 29
  Top w0.3: U33.3 112.63,162.22 114.02,160.83 115.2,160.83 116.21,159.81 116.21,144.66 112.38,140.83 U32.38
Net-(U35-Pad15): length 9.8
  Top w0.2: U35.15 195.49,147.37 195.49,148.28 195.26,148.51 194.47,148.51 194.2,148.24 U35.17 194.2,146.3 191.03,143.13 U35.3
unconnected-(J4-Pad6): length 10.8
  Top w0.2: J4.6 211.25,150.71 J4.6 J4.6 J4.6 J4.6 211.25,145.79 J4.6

## Copper pours and planes (outline as drawn; the poured copper is in the pictures)
+5V on Top: 1,1 213,1 213,169 1,169
+5V on Bottom: 1,1 213,1 213,169 1,169
GND on In1.Cu: 1,1 1,169 213,169 213,1
GND on In2.Cu: 213,1 213,169 1,169 1,1

## Text on the board
F.Silkscreen: Stats | Total Days Spent | Total Prototypes | Total Revision Count | Blitz 68030 | The best mistake i've ever made was loosing my heart to homebrew / Designer:   Carson Herrington / Thanks:   Matthew Smith, Jack Managan, K_IRL | Rev. L | 686 | 7 | 13 | Reset | Bank 0 | Bank 1 | IDE | MSE | KBD | FLOPPY | Revision L. / 11/08/19 | NotArtyom | Blitz '030
